# KiCad board System-Controller-UVC.kicad_pcb (continued)
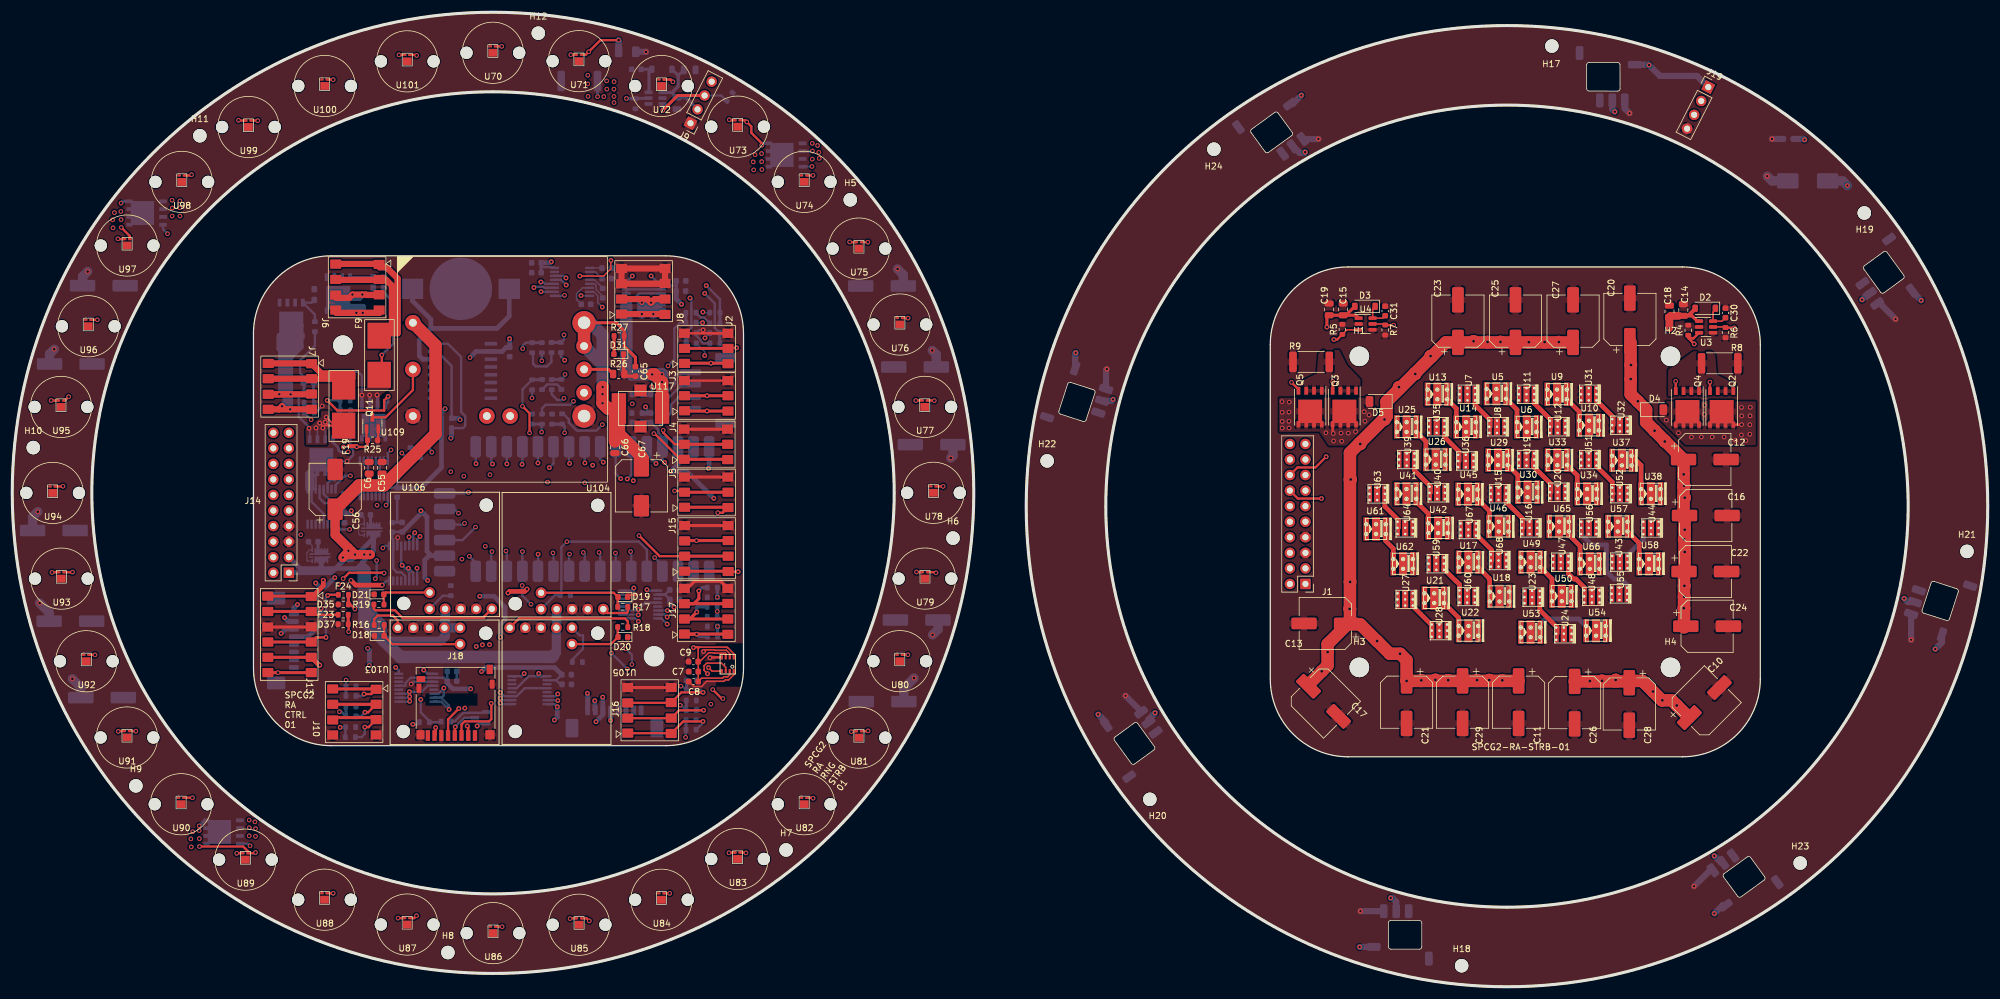
[diagram p0: board, top side]
## Routing (per net, layer and track width the routed paths; a pad name or vN(x,y) marks a point on that pad's centre or on a via; arc(x,y) is an arc through that point) (continued)
  Bottom w0.762: D39.1 F26.2 ; v2(73.12,92.6) 72.88,92.84 R23.1
/LEDController/Serial0_RX: length 53.6
  In2.Cu w0.381: v1(86.29,115.09) 88.71,112.68 88.71,78.01 v2(95.8,70.92)
  Bottom w0.381: v2(95.8,70.92) 95.98,70.74 95.98,67.86 ; v1(86.29,115.09) 86.68,115.09 86.98,114.8 U102.12
/LEDController/Serial0_TX: length 60.8
  In2.Cu w0.381: v1(85.16,114.19) 85.16,115.67 85.86,116.37 87.12,116.37 89.29,114.2 89.29,79.38 97.84,70.83 v2(98.48,70.83)
  Bottom w0.381: v2(98.48,70.83) 98.52,70.79 U108.7 ; v1(85.16,114.19) 85.27,114.3 86.66,114.3 86.82,114.15 U102.11
/LEDController/Serial1_RX: length 34.3
  In3.Cu w0.381: v2(90.16,112.92) 90.16,108.38 91.59,106.95 91.59,99.44 90.89,98.74 90.89,95.65 90.07,94.83 90.07,92.09 93.48,88.69 v1(93.48,85.55)
  Bottom w0.381: v1(93.48,85.55) 93.44,85.59 U108.24 ; U102.9 90.09,112.85 v2(90.16,112.92)
/LEDController/Serial1_TX: length 38.2
  In3.Cu w0.381: v1(90.99,85.47) 88.93,87.53 88.93,97.6 91.01,99.68 91.01,100.32 90.99,100.34 90.99,106.73 89.05,108.67 89.05,113.51 v1(86.33,113.51)
  Bottom w0.381: v1(86.33,113.51) 86.35,113.5 U102.10 ; 90.9,88.18 90.9,85.56 v1(90.99,85.47)
/LEDController/Serial2_RX: length 24.7
  In3.Cu w0.381: v2(90.24,100) 89.06,100 88.35,99.28 88.35,97.64 80.74,90.03 v1(80.74,85.39)
  Bottom w0.381: v1(80.74,85.39) 80.74,85.39 U108.19 ; v2(90.24,100) 90.24,99.79 D8.1
  Bottom w0.508: D8.1 89.61,99.16 F2.2
/LEDController/Serial2_TX: length 22.2
  Top w0.381: v2(84.45,90.45) 84.45,93.65 v2(83.3,94.8)
  In3.Cu w0.381: v1(87.68,84.77) 87.68,87.22 v2(84.45,90.45)
  Bottom w0.381: v2(83.3,94.8) 83.3,97.56 F1.2 ; v1(87.68,84.77) 88.36,85.45 U108.22
  Bottom w0.508: D10.1 86.44,99.13 F1.2
/LEDController/Serial3_RX: length 38.3
  In1.Cu w0.381: v2(93.46,82.29) 87.51,82.29 v2(87.39,82.41)
  In2.Cu w0.381: v2(87.39,82.41) 86.78,83.02 86.78,90.21 v2(86.41,90.58) ; v2(93.46,82.29) 95.08,82.29 104.86,72.51 v2(104.86,70.1)
  Bottom w0.381: U108.4 106.14,68.82 v2(104.86,70.1) ; v2(86.41,90.58) 86.41,91.8 F4.2
  Bottom w0.508: D9.1 86.48,91.89 F4.2
/LEDController/Serial3_TX: length 30.6
  In2.Cu w0.381: v2(100.95,71.07) 92.1,79.92 92.1,88.95 91.69,88.95 v2(90.17,90.47)
  Bottom w0.381: v2(90.17,90.47) 90.17,91.5 F3.2 ; v2(100.95,71.07) 101.06,70.96 101.06,67.86
  Bottom w0.508: D11.1 89.73,91.88 F3.2
/LEDController/SPI_MISO: length 73.4
  Top w0.381: v1(69.12,42.32) 69.12,41.21 J18.7
  In2.Cu w0.381: v1(73.88,45.5) 73.88,46.3 73.08,47.1 73.08,49.34 74.94,51.2 74.94,51.92 76.76,53.74 v1(76.76,55.84)
  In3.Cu w0.381: v1(73.88,45.5) 73.88,44.97 73.4,44.49 69.78,44.49 69.12,43.83 v1(69.12,42.32)
  In4.Cu w0.381: v1(76.76,55.84) 75.72,56.88 75.72,58.13 76.79,59.2 77.64,59.2 77.69,59.15 78.73,59.15 80.07,60.49 80.07,64.52 81.93,66.39 90.92,66.39 92.32,67.78 92.32,79.22 94.2,79.22 97.06,82.08 97.91,82.08 97.93,82.06 100.04,82.06 100.4,82.42 v1(100.4,82.93)
  Bottom w0.381: 101.06,88.18 101.06,83.59 v1(100.4,82.93)
/LEDController/SPI_MOSI: length 76.5
  Top w0.381: v1(78.2,46.28) 78.21,46.27 78.21,43.71 77.84,43.34 73.86,43.34 73.34,42.83 J18.3
  In2.Cu w0.381: v1(101.4,82.64) 101.4,83.47 99.2,85.67 v1(96.49,85.67) ; v1(77.92,55.87) 77.92,54.13 75.49,51.7 75.49,50.78 73.83,49.12 73.83,47.26 74.81,46.28 v1(78.2,46.28)
  In4.Cu w0.381: v1(101.4,82.64) 101.35,82.69 101.35,82.7 101.35,81.45 95.74,75.84 93.96,75.84 93.96,68 91.8,65.84 85.55,65.84 85.13,65.42 85.13,64.7 84.91,64.7 83.72,63.51 83.72,61.72 82.54,60.54 80.89,60.54 78.92,58.57 78.92,56.87 v1(77.92,55.87)
  Bottom w0.381: 95.98,88.18 95.98,86.18 v1(96.49,85.67)
/LEDController/SPI_SCK: length 69.3
  Top w0.381: v1(72.9,45.42) 71.14,43.67 J18.5
  In2.Cu w0.381: v1(75.75,55.57) 74.39,54.22 74.39,51.43 72.15,49.18 72.15,46.17 v1(72.9,45.42)
  In4.Cu w0.381: v1(75.75,55.57) 75.17,56.15 75.17,58.36 76.77,59.96 78.76,59.96 79.52,60.72 79.52,65.45 82.39,68.32 91.76,68.32 91.76,79.44 92.09,79.77 93.53,79.77 96.75,82.98 v1(99.33,82.98)
  Bottom w0.381: v1(99.33,82.98) 98.52,83.79 U108.26
/LEDController/TRIG1: length 84.5
  Top w0.381: D35.1 55.2,62.43 v2(55.95,61.68)
  Top w0.508: D35.1 54.87,64 F24.1
  In2.Cu w0.381: v2(73.72,83.37) 73.72,83.2 74.03,82.89 74.68,82.89 75.36,82.21 75.36,79.4 74.77,78.81 74.77,72.98 73.41,71.62 v2(73.41,69.83)
  In3.Cu w0.381: v2(73.72,83.37) 73.72,83.43 v1(75.72,85.43) 60.8,85.43 56.76,89.47 52.02,89.47 46.64,84.09 43.86,84.09 42.62,82.85 ; v2(55.95,61.68) 55.95,65.26 59.01,68.32 60.58,68.32 62.09,69.83 v2(73.41,69.83)
  Bottom w0.381: v1(75.72,85.43) 75.66,85.49 U108.17
/LEDController/TRIG2: length 42.8
  In3.Cu w0.381: v1(78.41,85.37) 77.43,86.35 61.28,86.35 57.31,90.32 50.85,90.32 47.16,86.63 43.86,86.63 42.62,85.39
  Bottom w0.381: v1(78.41,85.37) 78.2,85.58 78.2,88.18
/LEDController/TRIG3: length 94.3
  Top w0.381: D37.1 54.92,59.14 v2(54.92,57.99)
  Top w0.508: F23.1 54.85,60.75 D37.1
  In2.Cu w0.381: v2(59.48,69.6) 59.55,69.67 v2(59.55,78.64)
  In3.Cu w0.381: v2(78.31,71.07) 78.27,71.11 72.88,71.11 72.85,71.08 60.96,71.08 v2(59.48,69.6) ; v2(59.28,66.65) 59.28,66.65 59.28,62.36 v2(54.92,57.99)
  In4.Cu w0.381: v2(54.92,57.99) 50.18,57.99 48.48,56.29 48.48,46.57 50.14,44.91 v2(53.41,44.91) ; 42.62,87.93 43.82,86.72 45.55,86.72 51.88,80.4 51.88,80.32 57.87,80.32 v2(59.55,78.64)
  Bottom w0.381: v2(78.31,71.07) 78.2,70.96 78.2,67.86 ; F21.2 53.73,44.91 v2(53.41,44.91) ; v2(59.48,69.6) 59.48,66.85 v2(59.28,66.65)
  Bottom w0.508: D33.1 F21.2
/LEDController/VLED1: length 127.6
  Top w0.508: J13.5 J13.5
  Top w0.762: v1(50.2,52.53) 50.09,52.53 J13.5
  In2.Cu w0.762: v1(95.29,43.29) 93.49,41.49 86.18,41.49 84.12,43.55 72.2,43.55 72.06,43.41 66.19,43.41 65.79,43.81 65.01,43.81 65,43.8 55.95,43.8 50.2,49.54 v1(50.2,52.53) 50.01,52.53 48.95,53.59 48.95,56.05 47.35,57.65 47.35,57.8 43.99,57.8 v1(43.89,57.7) 43.87,57.7 43.48,58.09 43.48,63.35 49.16,69.03 49.16,74.12 45.51,77.77 J14.9 ; v1(106.96,61.42) 106.96,59.26 v1(106.92,59.22) 104.97,59.22 104.97,58.2 96.4,49.63 v1(96.4,47.3)
  Bottom w0.381: U113.15 106.49,60.8 v1(106.92,60.37) ; v1(106.96,61.42) 106.93,61.45 U113.14 ; v1(106.92,59.22) 105.99,60.15 U113.16
  Bottom w0.762: v1(96.4,47.3) 96.4,45.17 J12.6 96.43,44.43 v1(95.29,43.29) ; v1(43.89,57.7) 44.59,58.41 J11.6
/LEDController/VLED2: length 103.4
  In1.Cu w0.762: v1(88.98,45.72) 90.28,45.72 91.27,46.71 v1(95.1,46.71)
  In2.Cu w0.762: v1(89.06,47.82) 89.06,44.1 v1(88.52,43.56) 87.51,44.56 74.98,44.56 74.89,44.48 71.82,44.48 71.68,44.33 66.57,44.33 66.17,44.73 64.62,44.73 64.61,44.72 62.55,44.72 59.29,47.99 59.29,57.41 56.42,60.28 v1(44.46,60.28) 44.46,62.94 50.12,68.61 50.12,75.35 J14.11
  Bottom w0.381: v1(89.06,47.82) 88.69,47.46 U114.14 ; v1(89.06,46.74) 88.99,46.81 U114.15 ; U114.16 88.54,46.16 v1(88.98,45.72)
  Bottom w0.762: v1(44.46,60.28) 45.08,59.66 J11.7 ; v1(88.52,43.56) 88.98,44.02 v1(88.98,45.72) ; J12.7 95.1,45.22 v1(95.1,46.71)
/LEDController/VLED3: length 168
  Top w0.508: J13.6 v2(43.39,51.3) J13.6
  In1.Cu w0.762: v2(43.39,51.3) 46.56,54.47 v1(46.56,62.42) 46.56,63.04 49.8,66.28 ; J14.13 50.1,77.9 50.1,73.11 49.8,72.8 49.8,66.28 ; v1(66.57,73.53) 74.01,73.53 82.29,65.26 82.29,65.13 83.72,63.69 83.72,61.99 85.62,60.09 92.52,60.09 93.9,58.71 v1(93.9,47.92) ; 49.8,66.28 49.8,66.19 v1(49.54,65.94) 50.13,65.34 51.12,65.34 52.6,66.82 v1(52.65,66.82) 53.45,67.61 59.18,67.61 v1(65.71,74.14)
  In2.Cu w0.762: v1(64.77,73.46) 64.77,73.27 59.11,67.61 53.45,67.61 v1(52.65,66.82) ; v1(64.77,73.46) 64.84,73.53 v1(66.57,73.53) 66.32,73.53 v1(65.71,74.14) 65.03,73.46 v1(64.77,73.46) ; v1(46.56,62.42) 46.56,62.99 49.5,65.94 v1(49.54,65.94) 49.54,66.66 51.91,69.03 51.91,76.1 J14.13
  Bottom w0.381: v1(65.71,74.14) 65.45,73.88 U115.15 ; U115.16 66.1,73.06 v1(66.57,73.53) ; v1(64.77,73.46) 64.8,73.43 U115.14
  Bottom w0.762: v1(93.9,47.92) 93.93,47.89 J12.8 ; v1(52.65,66.82) 51.33,65.49 51.23,65.49 51.02,65.27 50.2,65.27 v1(49.54,65.94) ; J11.8 45.98,61.84 v1(46.56,62.42)
/UVCIllumination/EN: length 18.5
  Bottom w1.016: U126.2 209.1,137.25 210.18,136.17 210.94,136.17 v1(211.07,136.3) ; U120.2 309.45,62.82 v1(308.86,63.4) ; U123.2 185.48,43.65 v1(186.56,44.73) ; v1(261.62,142.9) 261.21,143.31 U118.2 ; U122.2 225.93,13.87 225.29,14.51 v1(225.04,14.51) ; v1(179.7,95.91) 179.49,95.7 U124.2 ; U121.2 279.02,20.22 v1(277.87,21.36) ; v1(301.99,112.21) 303.01,113.23 U119.2 ; v1(292.6,138.33) 292.48,138.46 R30.1
/VioletRingIllumination/TRIG_IN: length 12.8
  Top w0.508: v2(106.2,143.12) 108.63,145.55 J9.3
  Bottom w0.381: J9.3 115.75,145.55 R10.1
  Bottom w0.508: 106.22,144.14 106.22,143.14 v2(106.2,143.12)
/VioletRingIllumination/VAnode: length 33.5
  Bottom w1.016: v2(103.46,152.68) 103.45,152.69 D7.1
  Bottom w1.524: v2(4.47,62.66) 6.02,61.1 C32.1 ; v2(9.82,50.29) 11.19,48.92 C37.1 ; C33.1 6.08,103.33 v2(6.86,104.11) ; v2(4.17,77.58) 3.32,76.73 C38.1 ; v2(153.21,86.35) 153.56,86.7 C44.1 ; v2(150.2,103.91) 150.85,103.25 C40.1 ; C43.1 151.13,58.36 v2(150.24,57.47) ; v2(12.31,116.8) 11.48,115.97 C35.1 ; C39.1 145.56,48.75 v2(147.22,50.41) ; v2(144.53,117.22) 145.46,116.28 C41.1
Net-(BT1-+): length 33.7
  Bottom w0.762: BT1.1 65.34,112.01 68.35,109 68.35,107.51 ; BT1.1 81.14,109.52 79.13,107.51 68.35,107.51 ; U110.14 68.83,102.48 67.01,102.48 66.45,103.04 66.45,105.61 68.35,107.51
Net-(D1-K): length 5.9
  Bottom w0.381: D1.1 48.86,111.72 Q1.4 49.41,109.77 R1.2
Net-(D2-K): length 4.6
  Top w0.254: U3.6 279.12,108.7 C30.2 ; 278.29,110.8 277.65,110.17 277.65,108.7
Net-(D3-K): length 4.3
  Top w0.254: D3.1 222.1,110.74 222.1,109.18 223.73,109.18 C31.2
Net-(D4-A): length 1.4
  Top w0.381: v2(282.31,91.79) 282.3,91.81 280.97,91.81
  vias: v2(270.03,92.53) v2(272.01,90.46) v2(274.14,89.76) v2(275.75,89.78) v2(276.23,93.47) v2(276.26,94.97) v2(277.52,89.78) v2(279.47,89.76) v2(281.32,89.24) v2(282.3,94.61) v2(282.32,93.22) v2(282.28,90.11) v2(283,89.19) v2(283.7,93.24) v2(283.66,91.79) v2(283.65,90.22) v2(283.74,94.61)
Net-(D5-A): length 1.6
  Top w0.381: v2(215.66,90.35) 215.56,90.45 Q3.5
  vias: v2(207.28,95.55) v2(207.32,93.8) v2(207.31,92.32) v2(207.32,91.25) v2(208.41,93.83) v2(208.42,92.34) v2(208.47,95.48) v2(208.44,91.25) v2(214.46,90.47) v2(215.71,89.13) v2(216.92,90.41) v2(217.04,89.09) v2(218.12,90.41) v2(219.29,90.65) v2(220.7,93.91) v2(220.82,92.35) v2(221.5,93.38)
Net-(D6-K): length 5.7
  Bottom w0.508: C42.2 D6.1 103.95,149.38 103.95,146.04
Net-(D7-A): length 46.1
  Top w0.381: U81.1 139.66,41.73 v2(139.72,41.79) ; v2(39.71,21.93) 39.59,21.81 U89.1 38.49,22.11 37.7,22.9 v2(30.57,22.9) ; U73.1 119.64,141.51 v2(119.91,141.24) 120.66,140.49 120.66,139.46 122.35,137.77 v2(122.35,137.43) ; U93.1 9.82,67.7 v2(9.84,67.72) ; v2(119.79,21.87) 119.74,21.92 U83.1 ; v2(94.2,10.76) 93.78,11.18 U85.1 ; v2(66.02,152.09) 65.93,152.18 U101.1 ; v2(150.53,95.72) 150.5,95.75 U77.1 ; v2(20.18,41.74) 20.16,41.76 U91.1 ; U75.1 139.68,121.6 v2(139.68,121.6) ; v2(17.79,124) 19.18,122.61 U97.1 ; v2(65.99,11.6) 65.6,11.21 U87.1 ; U99.1 40.05,141.46 v2(40.07,141.44) ; U79.1 150.71,67.71 v2(150.81,67.61) ; U95.1 8.59,95.74 v2(9.21,96.36) ; U71.1 93.63,152.21 v2(94.11,152.69) 96.01,154.59 v2(98.99,154.59)
  Bottom w0.508: 31.92,27.17 31.42,27.17 v2(30.54,26.28) ; Q6.5 18.05,128.26 v2(17.76,127.97) ; v2(122.35,137.43) 122.64,137.73 123.73,137.73
  Bottom w1.016: D7.2 v2(98.99,154.59)
  vias: v2(16.38,125.25) v2(16.45,123.94) v2(16.68,126.42) v2(17.74,126.61) v2(17.77,125.29) v2(29.16,24.15) v2(29.23,22.84) v2(29.46,25.32) v2(30.52,25.51) v2(30.55,24.19) v2(120.97,134.71) v2(121.04,133.4) v2(121.27,135.88) v2(122.33,136.07) v2(122.36,134.75) v2(122.38,133.46)
Net-(D12-A1): length 34.9
  In1.Cu w0.381: v1(90.4,115.76) 91.16,115.76 92.92,114 112.28,114 v1(113.04,113.24)
  Bottom w0.381: v1(113.04,113.24) 114.69,111.58 114.69,107.58 F5.2 ; U102.14 90.06,116.1 v1(90.4,115.76)
  Bottom w0.508: F5.2 115.52,105.11 D12.1
Net-(D13-A1): length 35.3
  In1.Cu w0.381: v1(96.33,110.99) 101.84,110.99 102.21,110.62 107.24,110.62 108.07,109.79 108.07,102.41 v2(107.05,101.39)
  Bottom w0.254: v1(96.33,110.99) 95.59,111.73 95.59,112.84 94.93,113.5 U102.7
  Bottom w0.381: F7.2 109.93,108.41 108.98,108.41 108.09,107.52 108.09,102.43 v2(107.05,101.39)
  Bottom w0.508: F7.2 109.97,110.07 109.96,110.07
Net-(D14-A1): length 32.2
  In2.Cu w0.381: v1(90.44,114.6) 113.2,114.6 v1(113.29,114.51)
  Bottom w0.381: v1(113.29,114.51) 115.53,112.27 F6.2 ; U102.13 89.59,115.45 v1(90.44,114.6)
  Bottom w0.508: F6.2 D14.1
Net-(D15-A1): length 27.2
  In1.Cu w0.381: v1(110.65,112.47) 93.27,112.47 v1(92.86,112.88)
  Bottom w0.254: U102.8 92.89,112.85 v1(92.86,112.88)
  Bottom w0.381: D15.1 110.88,107.65 110.86,107.67 110.86,110.58 110.88,110.6 110.88,112.24 v1(110.65,112.47)
  Bottom w0.762: D15.1 110.02,106.73 F8.2
Net-(D16-K): length 5.5
  Bottom w0.381: Q9.4 60.6,115.88 R13.2
Net-(D17-A): length 3.2
  Bottom w0.508: R14.2 55.13,95.79 D17.2
Net-(D17-K): length 30.9
  Top w0.381: v1(60.33,103.16) 60.33,100.36 F9.2
  Bottom w0.381: D17.1 53.38,99.93 53.88,100.43 56.46,100.43 57.08,99.81 v1(57.08,96.61) ; R13.1 60.62,113.42 62.22,111.82 62.22,105.05 v1(60.33,103.16)
  Bottom w0.508: v1(58.34,96.61) 58.36,96.59 58.36,95.01 ; v1(57.08,96.61) 57.09,96.6 57.09,95.01 ; v1(59.56,96.65) 59.63,96.58 59.63,95.01 ; C51.1 53.58,98.75 D17.1
Net-(D18-A): length 14.7
  Top w0.381: R16.1 60.72,57.32 D18.2 62.06,55.95 U103.6
Net-(D19-A): length 14.5
  Top w0.381: U104.6 98.19,64.34 D19.2 98.84,63.61 R17.1
Net-(D20-A): length 9.6
  Top w0.381: R18.1 98.84,57.16 D20.2 97.74,55.96 U105.6
Net-(D21-A): length 9.3
  Top w0.381: R19.1 60.66,62.45 D21.2 60.96,64.38 U106.6
Net-(D31-A): length 3
  Top w0.508: D31.2 98.24,103.33 R27.2
Net-(D36-A): length 3.4
  Bottom w0.508: D36.2 49.2,98.55 C3.2 49.2,95.45 R2.2
Net-(D36-K): length 35.1
  Top w0.254: v1(51.27,93.02) 52.65,91.64 F19.2 ; v1(50.19,92.06) 50.61,91.64 F19.2 ; F19.2 51.66,91.64 v1(51.1,92.2)
  Bottom w0.254: Q12.1 48.55,91.09 v1(48.44,91.2) ; Q12.3 51.09,90.87 v1(50.7,91.26) ; v1(49.58,91.26) 49.82,91.03 Q12.2
  Bottom w0.381: R1.1 49.41,104.7 47,102.29 47,100.23 47.55,99.68 D36.1 ; C3.1 46.94,96.95 46.75,96.76 46.75,93.1 48.44,91.4 v1(48.44,91.2)
  Bottom w0.508: D36.1 47.65,98.55 C3.1
Net-(J2-Pin_1): length 12.8
  Top w0.508: 109.75,101.8 109.78,101.83 v1(114.06,101.83) 116.77,101.83 J2.1
  In3.Cu w0.254: v1(114.06,101.83) 114.06,104.99 v1(113.08,105.96)
  Bottom w0.254: F5.1 113.08,105.97 v1(113.08,105.96)
Net-(J2-Pin_2): length 19.2
  Top w0.254: v1(118.25,104.35) 116.94,104.35 J2.2
  Top w0.508: 109.75,104.25 J2.2
  In3.Cu w0.254: v1(118.25,104.35) 115.96,104.35 114.69,105.62 114.69,108.24 v1(112.75,110.18)
  Bottom w0.254: v1(112.75,110.18) 112.85,110.08 F6.1
Net-(J3-Pin_1): length 23.9
  Top w0.508: J3.1 v1(113.42,94.02) 109.8,94.02 109.75,94.07
  In3.Cu w0.254: v1(113.42,94.02) 113.42,94.06 111.52,95.96 111.52,107.27 v1(112.7,108.45)
  Bottom w0.254: v1(112.7,108.45) 112.69,108.45 F7.1
Net-(J3-Pin_2): length 16.4
  Top w0.508: 109.75,96.52 v1(113.42,96.52) J3.2
  In3.Cu w0.254: v1(113.42,96.52) 113.04,96.9 v1(113.04,103.08)
  Bottom w0.254: F8.1 113.04,103.71 v1(113.04,103.08)
Net-(J4-Pin_1): length 37.4
  Top w0.381: v2(104.74,90.34) 104.87,90.34 109.07,86.14 J4.1
  Top w0.508: J4.1 116.75,86.14 J4.1
  In4.Cu w0.381: v2(104.74,90.34) 104.73,90.34 91.82,90.34 89.33,92.84 88.16,92.84 v2(84.85,96.15)
  Bottom w0.381: v2(84.85,96.15) 84.86,96.17 F1.1
Net-(J4-Pin_2): length 35.1
  Top w0.381: v2(106.27,90.87) 106.27,90.48 108.17,88.59 J4.2
  Top w0.508: J4.2 J4.2
  In4.Cu w0.381: v2(90.06,96.09) 90.06,93.29 92.42,90.93 104.29,90.93 104.48,91.12 106.03,91.12 v2(106.27,90.87)
  Bottom w0.381: v2(90.06,96.09) 89.8,95.83 88.98,95.83 88.07,96.74 F2.1
Net-(J5-Pin_1): length 43.2
  Top w0.381: J5.1 116,77.41 v2(115.18,77.41)
  Top w0.508: 109.75,78.31 116.8,78.31 J5.1
  In3.Cu w0.381: v2(115.18,77.41) 114.9,77.41 112.52,79.79 112.52,81.13 101.85,91.8 v2(96.34,91.8)
  Bottom w0.381: F3.1 89.97,93.56 90.86,92.67 90.86,92.13 92.16,90.83 95.37,90.83 v2(96.34,91.8)
Net-(J5-Pin_2): length 42.4
  Top w0.381: v2(108.12,80.98) 109.53,80.98 109.75,80.76
  Top w0.508: 109.75,80.76 J5.2
  In3.Cu w0.381: v2(91.63,95.61) 91.09,95.07 91.09,95.05 90.62,94.58 90.62,92.32 94.16,88.78 94.16,86.9 97.12,83.94 105.16,83.94 v2(108.12,80.98)
  Bottom w0.381: v2(91.63,95.61) 91.06,95.04 87.08,95.04 86.49,94.45 F4.1
Net-(J6-Pin_1): length 41.8
  Top w1.016: 53.38,118.05 59.43,118.05 59.98,117.5 61.08,117.5 62.92,115.66 62.92,106.73 60.32,106.73 F9.1 60.97,107.38 62.29,107.38 61.98,107.69 61.98,114.49 61.03,115.44 53.27,115.44
Net-(J6-Pin_3): length 31.8
  Top w1.016: 59.98,110.05 v1(57.22,110.05) v1(56.18,110.05) 52.88,110.05 ; 59.55,112.98 57.77,112.98 57.71,113.04 v1(57.16,113.04) v1(55.54,113.04) 55,112.5 52.88,112.5
  Bottom w1.016: Q9.5 55.02,112.52 v1(55.54,113.04) ; Q9.5 56.64,112.52 v1(57.16,113.04) ; Q9.5 53.22,110.38 53.07,110.22 53.24,110.05 v1(56.18,110.05) ; Q9.5 54.72,111.02 57.2,111.02 57.22,111 v1(57.22,110.05)
Net-(J7-Pin_1): length 30
  Top w1.016: J7.2 J7.2 52.82,99.3 F19.1 55.5,99.42 55.5,100.15 50.48,100.15 J7.1 48.83,101.8 J7.1
Net-(J7-Pin_3): length 75.9
  Top w1.016: J7.4 43.55,94.3 ; 43.55,94.3 v1(45.38,94.3) J7.4 ; 43.55,94.3 v1(44.05,94.8) ; v1(45.45,96.75) 48.83,96.75 J7.3 ; v1(45.45,96.75) v1(43.6,96.75) J7.3 v1(45.45,96.75)
  Bottom w1.016: 46.18,105.37 Q1.5 45.55,106.89 Q1.5 ; 46.18,105.37 46.18,104.84 44.6,103.25 ; 46.18,105.37 47.05,104.5 ; 43.9,103.6 45.55,105.25 Q1.5 ; 43.9,103.6 44.29,103.99 44.29,105.73 ; 43.9,103.6 43.9,97.05 v1(43.6,96.75) ; 44.6,103.25 44.6,95.35 v1(44.05,94.8) ; 44.6,103.25 44.91,103.57 Q1.5 44.39,105.73 44.29,105.73 ; 44.6,103.25 43.64,104.21 Q1.5 ; Q1.5 46.74,108.36 47.05,108.05 47.05,104.5 ; Q1.5 44.29,107.1 44.29,105.73 ; 47.05,104.5 45.35,102.8 45.35,94.33 v1(45.38,94.3)
Net-(J10-Pin_1): length 10.9
  Top w0.381: v1(57.42,47.8) 58.63,47.8 J10.1
  Top w0.508: J10.1 59.36,48.63 J10.1
  Bottom w0.381: F20.1 57.1,47.49 v1(57.42,47.8)
Net-(J10-Pin_2): length 11.2
  Top w0.381: J10.2 58.1,44.82 v1(57.59,44.82)
  Top w0.508: J10.2 J10.2
  Bottom w0.381: F21.1 56.95,44.18 v1(57.59,44.82)
Net-(J10-Pin_3): length 12.6
  Top w0.381: v1(57.55,42.4) 58.18,42.4 J10.3
  Top w0.508: J10.3 59.08,43.96 52.68,43.96 J10.3
  Bottom w0.381: F22.1 57.05,40.76 57.55,41.26 v1(57.55,42.4)
Net-(J13-Pin_2): length 11.7
  Top w0.381: F23.2 49.35,60.75 J13.2
  Top w0.508: J13.2 J13.2
Net-(J13-Pin_4): length 18.6
  Top w0.381: F24.2 51.6,64.01 v1(51.5,63.91) ; J13.4 49.57,57.05 v1(51.21,57.05)
  Top w0.508: J13.4 J13.4
  Bottom w0.381: v1(51.21,57.05) 51.21,63.62 v1(51.5,63.91)
Net-(J15-Pin_1): length 67.7
  Top w0.381: v1(118.5,67.77) 116.91,67.77 J15.1
  Top w0.508: J15.1 116.82,67.87 J15.1
  In1.Cu w0.381: v1(90.18,102.31) 90.18,101.42 92.34,99.27 92.34,98.88 97.42,98.88 99.2,97.11 99.2,92.03 94.75,87.58 v1(94.75,85.17)
  In2.Cu w0.381: v1(118.5,67.77) 118.5,69.04 116.09,71.45 108.47,71.45 v1(94.75,85.17)
  Bottom w0.381: F10.1 89.57,102.93 v1(90.18,102.31)
Net-(J15-Pin_2): length 63.5
  Top w0.381: v2(102.32,73.68) 105.68,70.32 J15.2
  Top w0.508: J15.2 J15.2
  In1.Cu w0.381: v2(102.32,73.68) 98.08,77.92 98.08,80.5 84.17,80.5 82.63,82.04 68.73,82.04 v2(63.6,87.17)
  Bottom w0.381: F11.1 64.37,86.4 v2(63.6,87.17)
Net-(J15-Pin_3): length 52.8
  Top w0.508: J15.3 v2(111.71,72.87) 109.82,72.87 J15.3
  In2.Cu w0.381: v2(101.23,95.2) 102.53,93.91 102.53,82.05 v2(111.71,72.87)
  In4.Cu w0.381: v2(86.45,102.23) 89.87,98.81 97.62,98.81 v2(101.23,95.2)
  Bottom w0.381: F12.1 v2(86.45,102.23)
Net-(J16-Pin_1): length 15
  Top w0.381: J16.1 107.53,41.42 J16.1 109.54,43.33 v1(112.77,43.33)
  Bottom w0.381: F13.1 112.77,43.1 v1(112.77,43.33)
Net-(J16-Pin_2): length 14.1
  Top w0.381: v1(112.87,45.15) 108.86,45.15 J16.2 J16.2
  Bottom w0.381: v1(112.87,45.15) 112.84,45.18 F14.1
Net-(J16-Pin_3): length 14.2
  Top w0.381: v1(112.78,48.07) 109.23,48.07 J16.3 107.53,46.37 J16.3
  Bottom w0.381: v1(112.78,48.07) 112.46,48.39 F15.1
Net-(J17-Pin_1): length 11
  Top w0.508: J17.1 116.77,57.61 J17.1 109.75,57.57 v1(111.73,57.57)
  Bottom w0.508: F16.1 112.09,57.21 v1(111.73,57.57)
Net-(J17-Pin_2): length 12.1
  Top w0.508: J17.2 J17.2 110.6,60.06 v1(111.74,61.19)
  Bottom w0.508: F17.1 111.81,62.05 111.74,61.97 v1(111.74,61.19)
Net-(J17-Pin_3): length 12.7
  Top w0.508: J17.3 116.77,62.56 J17.3 111.26,62.56 112.08,63.38 v1(112.08,64.64)
  Bottom w0.508: F18.1 112.63,65.18 v1(112.08,64.64)
Net-(J18-VDD): length 5.2
  Top w0.381: v1(72.32,42.44) 72.24,42.36 J18.4
  Bottom w0.381: Q14.3 73.81,43.93 v1(72.32,42.44)
Net-(J20-Pin_1): length 7.2
  Bottom w0.381: J20.1 110.37,100.03 108.21,100.03 108.21,98.5 106.44,96.73 F25.1
Net-(J20-Pin_2): length 7.5
  Bottom w0.381: J20.2 109.34,98.36 105.93,94.95 F26.1
Net-(J20-Pin_3): length 7.3
  Bottom w0.381: J20.3 108.87,96.36 107.58,95.07 107.58,93.8 F27.1
Net-(Q2-G): length 22.7
  Top w0.254: R6.1 279.59,107.75 U3.5
  Top w0.381: v2(281.11,107.61) 279.73,107.61 R6.1 ; 271.57,97.27 271.57,98.85 v2(271.55,98.86) ; Q2.4 277.16,98.75 v2(277.15,98.75)
  In1.Cu w0.381: v2(271.55,98.86) 277.04,98.86 v2(277.15,98.75) 281.11,102.71 v2(281.11,107.61)
Net-(Q3-G): length 30.8
  Top w0.254: R7.1 223.97,108.23 222.1,108.23
  Top w0.381: v2(225.5,108.05) 224.15,108.05 R7.1 ; Q3.4 215.56,98.81 v2(215.58,98.83) ; Q5.4 209.97,97.56 v2(208.84,98.69)
  In1.Cu w0.381: v2(225.5,108.05) 225.39,107.94 219.48,107.94 217.29,105.75 216.63,105.75 216.63,99.88 v2(215.58,98.83) 215.44,98.69 v2(208.84,98.69)
Net-(Q6-G): length 274.9
  In2.Cu w1.016: v2(38.82,23.03) 38.15,23.03 33.09,28.09 28.25,28.09 25.13,31.21 25.13,34.59 18.82,40.9 18.82,44.4 15.35,44.4 11.59,48.16 11.59,58.82 8.63,61.78 8.63,69.29 6.59,71.33 6.59,83.52 10.57,87.5 10.57,108.18 11.25,108.86 11.25,109.36 13.13,111.24 15.63,111.24 25.35,120.96 v2(25.35,122.98) 25.35,123.03 23.3,125.08 23.3,128.02 25.85,130.57 25.85,133.76 28.68,136.59 42.18,136.59 50.21,144.62 56.26,144.62 58.77,147.13 58.77,147.37 81.09,147.37 87.75,154.03 97.28,154.03 99.88,151.43 99.88,145.46 v2(100.27,145.07) 101.56,145.07 104.94,141.69 107.54,141.69 110.47,138.76 120.03,138.76 120.43,139.16 120.81,138.77 124.84,138.77 128.55,135.07 128.55,134.68 129.22,134.01 130.51,134.01 v2(130.56,133.96)
  Bottom w0.381: Q7.4 38.49,23.36 v2(38.82,23.03) ; v2(130.56,133.96) 129.05,133.96 Q8.4 ; v2(25.35,122.98) 24.61,123.72 Q6.4
  Bottom w0.508: 103.95,145.09 101.8,145.09 R11.1 100.31,145.02 v2(100.27,145.07)
Net-(Q6-S-Pad1): length 4.1
  Bottom w0.508: v2(130.63,136.48) 130.59,136.44 129.09,136.44 ; R12.1 95.54,145.38 v2(95.55,145.37)
  vias: v2(26.1,128.44) v2(26.12,127.18) v2(26.1,125.86) v2(27.37,128.34) v2(27.35,127.22) v2(27.37,125.86) v2(38.68,27.23) v2(38.7,25.97) v2(38.68,24.65) v2(39.62,26.94) v2(39.72,25.82) v2(39.71,24.56) v2(93.96,148.85) v2(93.95,147.45) v2(94,145.41) v2(96.57,145.37) v2(97.04,147.94) v2(97.06,146.59) v2(98.23,146.59) v2(98.23,145.39) v2(98.25,147.81) v2(98.24,144.4) v2(130.61,137.74) v2(130.61,135.16) v2(131.47,137.39) v2(131.68,136.26) v2(131.74,135.28)
Net-(Q10-G): length 17.9
  Top w0.381: v1(51.42,95.76) 53.06,94.12 60.71,94.12 60.72,94.11 60.72,95.76 v1(61.37,96.41)
  Bottom w0.381: 60.9,95.01 61.37,95.48 v1(61.37,96.41) ; R14.1 51.43,95.75 v1(51.42,95.76)
  Bottom w0.508: R15.1 53.52,94.16 R14.1
Net-(Q11-D): length 11.8
  Top w0.381: Q11.3 60.96,93 65.41,97.45 U109.2
Net-(Q12-G): length 19
  In2.Cu w0.381: v2(48.79,92.61) 47.35,91.17 47.35,89.86 49.86,87.35 v2(54.85,87.35)
  Bottom w0.381: v2(48.79,92.61) R3.1 ; v2(54.85,87.35) 53.53,87.35 53.25,87.63 53.25,88.01 52.36,88.9 Q12.4
  Bottom w0.508: R3.1 R2.1
Net-(Q14-G): length 6.4
  Bottom w0.381: R29.1 72.2,43.31 73.63,44.74 77.22,44.74 Q14.1
Net-(U5-K): length 5.3
  Top w0.762: U6.2 245.65,94.25 U5.1
Net-(U7-K): length 5.3
  Top w0.762: 241.28,91.45 241.28,92.55 238.8,95.02 U7.1
Net-(U10-A): length 5.9
  Top w0.762: U9.1 255.82,93.9 255.82,90.86
Net-(U11-K): length 5.4
  Top w0.762: U11.1 248.45,95.3 251.18,92.57 U12.2
Net-(U13-K): length 6
  Top w0.762: U14.2 235.75,94.42 234.23,95.94
Net-(U15-K): length 6.7
  Top w0.762: U15.1 243.88,79.14 246.61,76.41 U16.2
Net-(U17-K): length 5.5
  Top w0.762: U18.2 241.19,66.52 241.09,66.61 241.09,66.71 U17.1
Net-(U19-K): length 6.5
  Top w0.762: U19.1 248.3,85 251.18,82.12 U20.2
Net-(U21-K): length 5.5
  Top w0.762: U21.1 236.12,60.27 U22.2
Net-(U23-K): length 7.2
  Top w0.762: U23.1 249.37,61.52 252.2,58.69 U24.2
Net-(U25-K): length 5.2
  Top w0.762: U26.2 230.78,89.04 U25.1
Net-(U27-K): length 7.4
  Top w0.762: U28.2 231.73,59.06 228.64,62.15 U27.1
Net-(U29-K): length 5.1
  Top w0.762: U29.1 245.78,83.55 U30.2
Net-(U31-K): length 5.2
  Top w0.762: U32.2 261.34,93.04 U31.1
Net-(U33-K): length 5.4
  Top w0.762: U33.1 255.49,83.52 U34.2
Net-(U35-K): length 5.6
  Top w0.762: U35.1 233.79,89.8 236.2,87.39 U36.2
Net-(U37-K): length 6.9
  Top w0.762: U37.1 265.9,85.18 U38.2
Net-(U39-K): length 5.5
  Top w0.762: U40.2 231.52,81.71 228.9,84.33 U39.1
Net-(U41-K): length 7.2
  Top w0.762: U42.2 231.17,77.25 229.19,79.23 U41.1
Net-(U43-K): length 7.6
  Bottom w0.762: U43.1 263.69,70.47 266.27,73.05 U44.2
Net-(U45-K): length 5.3
  Top w0.762: U46.2 241.14,75.24 241.14,77.7 U45.1
